# Altium PCB Hand Proto 1 PCB.PcbDoc
Units mil, origin at the board's own origin, x right, y up, seen from the top; angles counter-clockwise.
Board outline 4600 x 3300 mil, 2 copper layers (Top Layer, Bottom Layer), stack 60.8 mil thick; 115 components, 74 nets, 361 pads, 188 vias.
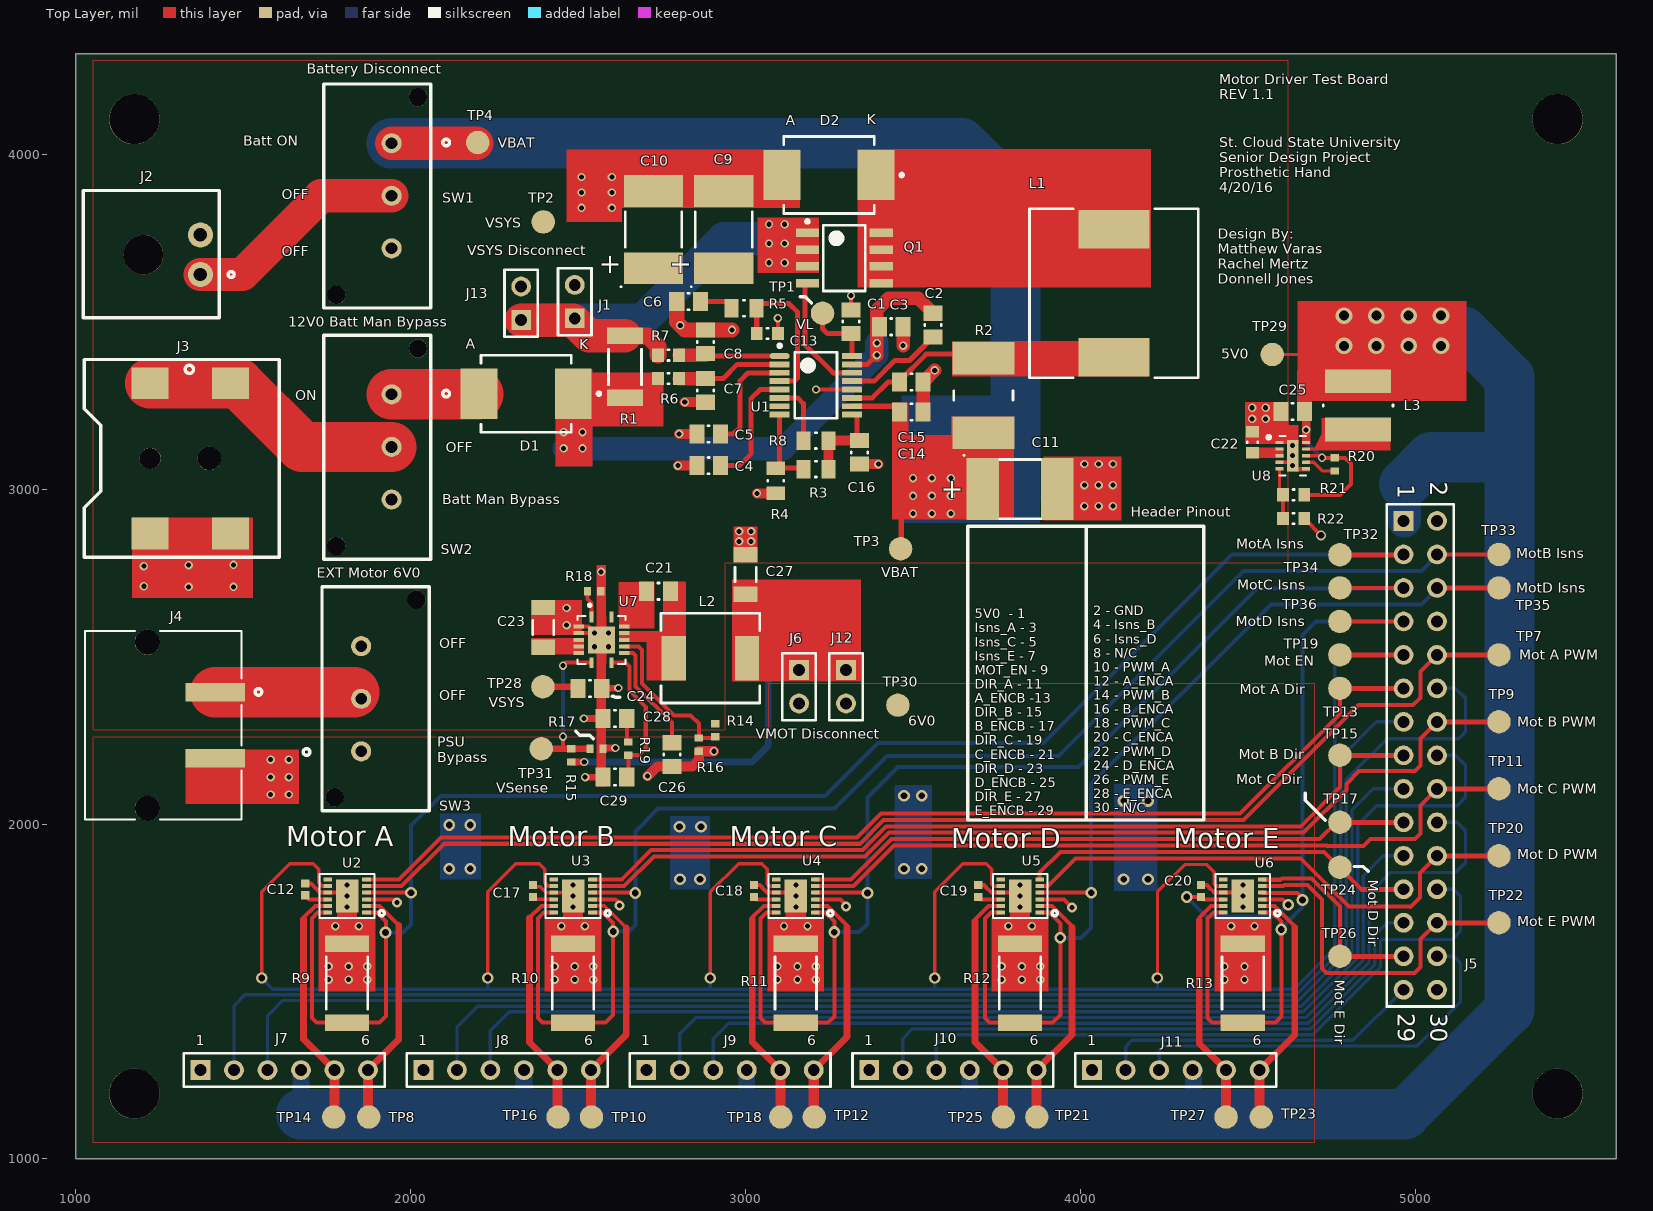
[diagram p0: Top Layer view]
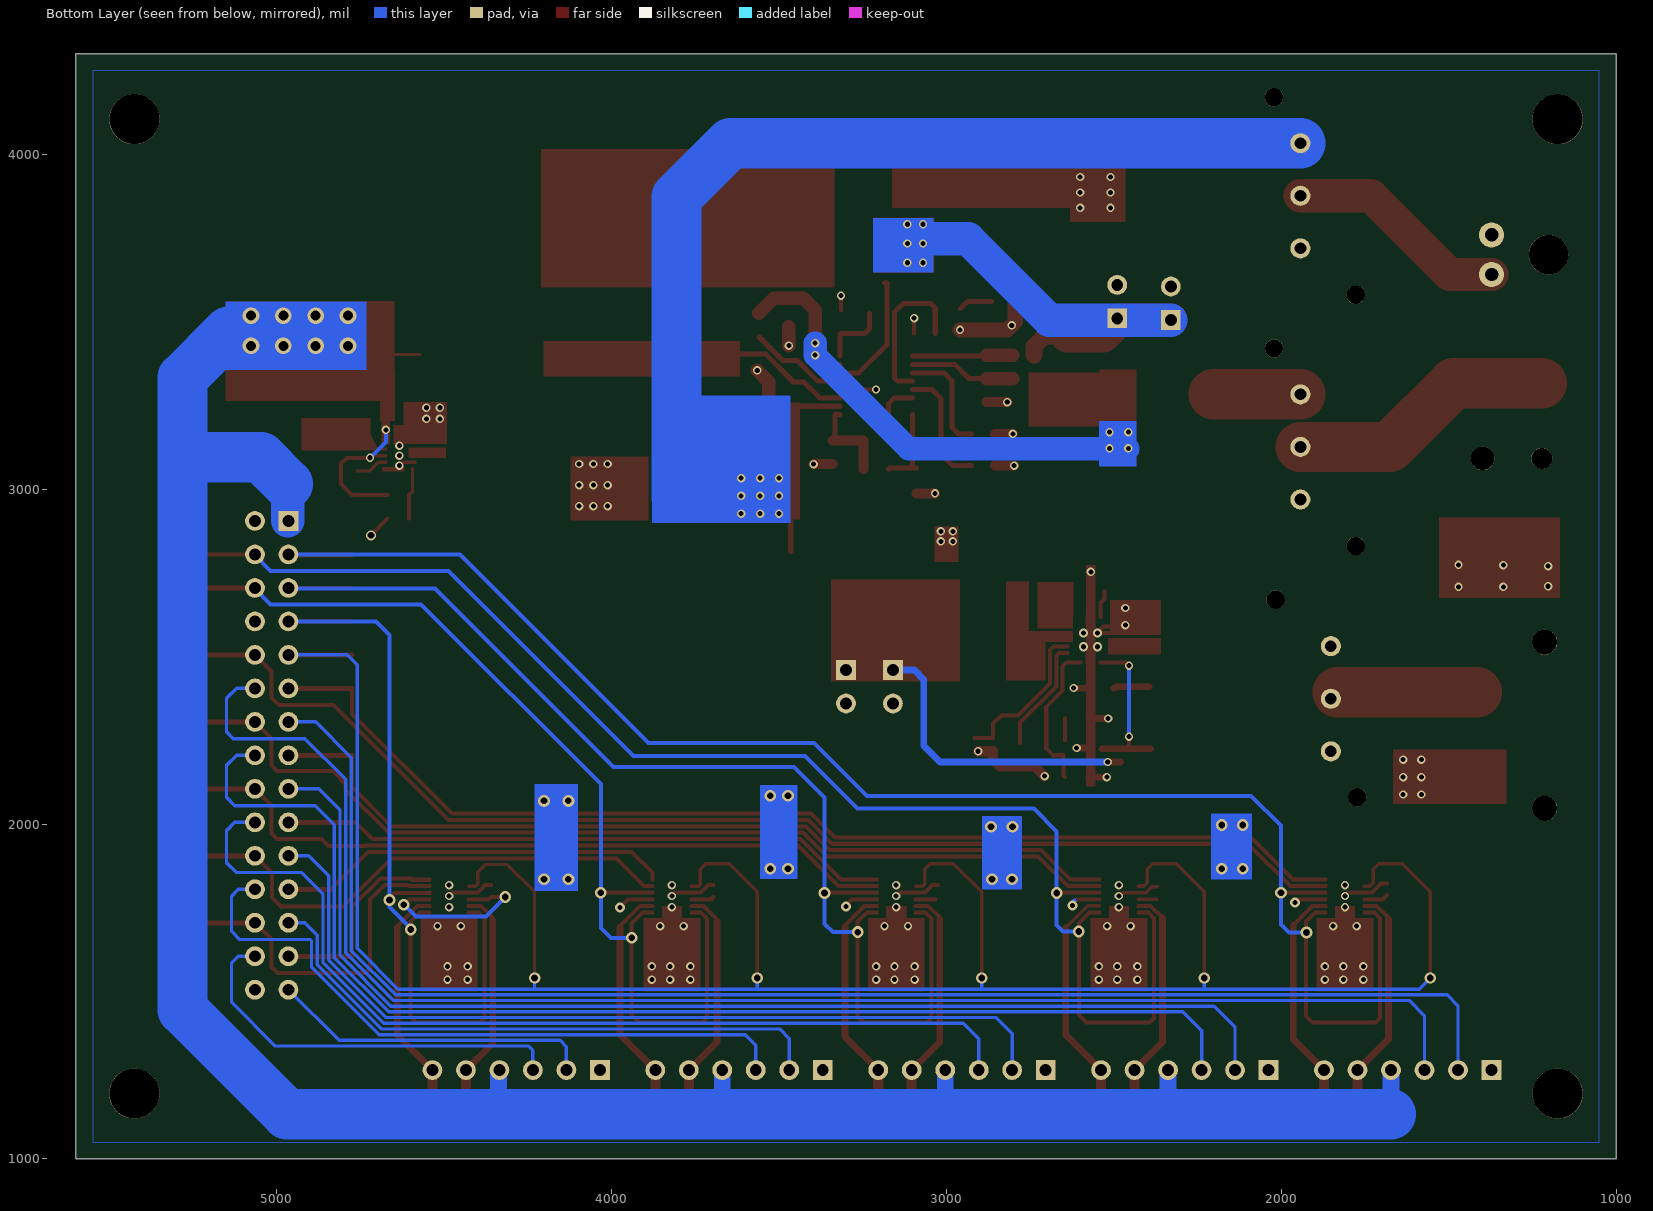
[diagram p1: Bottom Layer view, seen from below]

## Layer stack, top to bottom
Top Solder: solder mask 0.4, Solder Resist, Dk 3.5
Top Layer: signal copper 1.4
Dielectric 1: core 58, FR-4, Dk 4.2
Bottom Layer: signal copper 1.4
Bottom Solder: solder mask 0.4, Solder Resist, Dk 3.5

## Board outline
1000,1000 1000,4300 5600,4300 5600,1000

## Design rules (kind name [scope] priority, off if disabled: settings)
Clearance [All] p1: gap=7
HoleSize [All] p1: absolutevalues=TRUE maxlimit=500 minlimit=15 maxpercent=80.000 minpercent=20.000
MinimumAnnularRing [All] p1: minimumring=5
PolygonConnect [All] p1: connectstyle=Relief reliefconductorwidth=20 reliefentries=4 polygonreliefangle="90 Angle" airgapwidth=10
RoutingVias [All] p1: holewidth=20 width=30 viastyle="Through Hole" minholewidth=15 minwidth=25 maxholewidth=50 maxwidth=50
SolderMaskExpansion [All] p1: expansion=5
Width [All] p1: maxlimit=500 minlimit=7 preferedwidth=12
29 further rules are at their usual default settings.

## Classes and differential pairs
component class "Battery Manager": C1 C2 C3 C4 C5 C6 C7 C8 C9 C10 C11 C13 C14 C15 C16 D1 D2 J1 J13 L1 Q1 R1 R2 R3 R4 R5 R6 R7 R8 TP1 TP2 TP3 U1
component class Connectors: J2 J3 J4 J5 J7 J8 J9 J10 J11 P1 P2 P3 P4 P5 P? SW1 SW2 SW3 TP4
component class Motor_Drivers: C12 C17 C18 C19 C20 R9 R10 R11 R12 R13 TP7 TP8 TP9 TP10 TP11 TP12 TP13 TP14 TP15 TP16 TP17 TP18 TP19 TP20 TP21 TP22 TP23 TP24 TP25 TP26 TP27 TP32 TP33 TP34 TP35 TP36 U2 U3 U4 U5 U6
component class Power_Supply: C21 C22 C23 C24 C25 C26 C27 C28 C29 J6 J12 L2 L3 R14 R15 R16 R17 R18 R19 R20 R21 R22 TP28 TP29 TP30 TP31 U7 U8

## Components (designator, comment, footprint, x,y, rotation, side; value= is the part's Value field where it differs from the comment)
C1 "2.2uF" CAPC0805(2012)145_N 3315,3500 r90 top
C2 "0.22uF" CAPC0805(2012)145_N 3560,3490 r270 top
C3 "0.22uF" CAPC0805(2012)145_N 3435,3485 r0 top
C4 "0.047uF" CAPC0805(2012)75_N 2890,3070 r180 top
C5 "0.047uF" CAPC0805(2012)75_N 2890,3165 r180 top
C6 "0.1uF" CAPC0805(2012)145_N 2830,3560 r0 top
C7 "0.1uF" CAPC0805(2012)145_N 2880,3295 r90 top
C8 "0.1uF" CAPC0805(2012)145_N 2880,3440 r270 top
C9 "22uF" "CAP TANT D" 2935,3775 r90 top
C10 "22uF" "CAP TANT D" 2725,3775 r90 top
C11 "68uF" "CAP TANT E" 3820,3000 r0 top
C12 "Cap" "0402 Cap" 1685,1805 r270 top
C13 "1nF" CAPC0603(1608)100_N 3065,3465 r180 top
C14 "0.1uF" CAPC0805(2012)145_N 3495,3230 r0 top
C15 "0.1uF" CAPC0805(2012)145_N 3495,3320 r180 top
C16 "1uF" CAPC0805(2012)100_N 3340,3110 r90 top
C17 "Cap" "0402 Cap" 2365,1800 r270 top
C18 "Cap" "0402 Cap" 3025,1800 r270 top
C19 "Cap" "0402 Cap" 3695,1800 r270 top
C20 "Cap" "0402 Cap" 4360,1800 r270 top
C21 "0.1uF" CAPC0805(2012)145_N 2740,2695 r180 top
C22 "2.2uF" CAPC0603(1608)100_N 4514,3140 r270 top
C23 "22uF" CAPC1206(3216)190_N 2396,2587 r270 top
C24 "4.7uF" CAPC0805(2012)145_N 2535,2405 r180 top
C25 "22uF" CAPC0805(2012)145_N 4634,3232 r0 top
C26 "2.7nF" CAPC0805(2012)145_N 2780.39,2206.97 r90 top
C27 "22uF" CAPC1206(3216)190_N 3000,2745 r270 top
C28 "18nF" CAPC0805(2012)145_N 2610,2315 r0 top
C29 "39pF" CAPC0805(2012)100_N 2610,2140 r0 top
D1 "MBRS340T3G" ONSC-SMC-2-403-03_V 2345,3285 r180 top
D2 "MBRS340T3G" ONSC-SMC-2-403-03_V 3249,3938 r180 top
J1 "VSYS Jumper" HDR1X2 2490,3510 r90 top
J2 "0436500200" 43650-0200 1202,3700 r270 top
J3 "PJ-002AH-SMT" PJ-002AH-SMT 1222,3092 r0 top
J4 "691709710302" "2-PIN SCREW TERMINAL" 1315,2295 r270 top
J5 "Header 15X2" HDR2X15 5015,2205 r270 top
J6 "6V0 Jumper" HDR1X2 3160,2460 r270 top
J7 "Header 6" HDR1X6 1372.5,1265 r0 top
J8 "Header 6" HDR1X6 2038.12,1265 r0 top
J9 "Header 6" HDR1X6 2703.75,1265 r0 top
J10 "Header 6" HDR1X6 3369.38,1265 r0 top
J11 "Header 6" HDR1X6 4035,1265 r0 top
J12 "6V0 Jumper" HDR1X2 3300,2460 r270 top
J13 "VSYS Jumper" HDR1X2 2330,3505 r90 top
L1 "10uH" "SRR1260 IND" 4100,3585 r270 top
L2 "3.3uH" INDM7265X40N 2895,2495 r0 top
L3 "10uH" SDR0503 4829,3250 r90 top
Q1 "FDS4435BZ" SOIC-8 3295,3690 r0 top
R1 "0.033" RESC2010(5025)_N 2640,3365 r270 top
R2 "0.068" WSL2816 3710,3280 r90 top
R3 "100K" RESC0805(2012)_N 3210,3060 r0 top
R4 "100K" RESC0805(2012)_N 3090,3025 r90 top
R5 "10K" RESC0805(2012)_N 2995,3540 r180 top
R6 "4.7" RESC0603(1608)_N 2770,3330 r0 top
R7 "4.7" RESC0603(1608)_N 2770,3400 r0 top
R8 "10K" RESC0805(2012)_N 3210,3145 r0 top
R9 "0R1 1% 3W" "2512 Resistor" 1810,1525 r270 top
R10 "0R1 1% 3W" "2512 Resistor" 2485,1525 r270 top
R11 "0R1 1% 3W" "2512 Resistor" 3150,1525 r270 top
R12 "0R1 1% 3W" "2512 Resistor" 3820,1525 r270 top
R13 "0R1 1% 3W" "2512 Resistor" 4485,1525 r270 top
R14 "105K 1%" RESC0402(1005)_N 2910,2280 r270 top
R15 "90.9K" RESC0402(1005)_N 2480,2205 r270 top
R16 "37.4K 1%" RESC0402(1005)_N 2860.39,2236.97 r90 top
R17 "10K" RESC0402(1005)_N 2555,2225 r180 top
R18 "53.6K 1%" RESC0402(1005)_N 2548,2695 r180 top
R19 "3.57K 1%" RESC0402(1005)_N 2650,2225 r270 top
R20 "100K" RESC0402(1005)_N 4760,3074 r90 top
R21 "787K" RESC0603(1608)_N 4637,2983 r180 top
R22 "150K" RESC0603(1608)_N 4637,2912 r180 top
SW1 "1825255-5" "ON/OFF/ON SLIDER SWITCH" 1900,3875 r90 top
SW2 "1825255-5" "ON/OFF/ON SLIDER SWITCH" 1900,3125 r90 top
SW3 "1825255-5" "ON/OFF/ON SLIDER SWITCH" 1895,2375 r270 top
TP1 "Test Point" TESTPOINT_70 3230,3525 r0 top
TP2 "Test Point" TESTPOINT_70 2396,3798 r90 top
TP3 "Test Point" TESTPOINT_70 3463,2822 r90 top
TP4 "Test Point" TESTPOINT_70 2200,4035 r90 top
TP7 "Test Point" TESTPOINT_70 5250,2505 r90 top
TP8 "Test Point" TESTPOINT_70 1875,1125 r90 top
TP9 "Test Point" TESTPOINT_70 5250,2305 r90 top
TP10 "Test Point" TESTPOINT_70 2540,1125 r90 top
TP11 "Test Point" TESTPOINT_70 5250,2105 r90 top
TP12 "Test Point" TESTPOINT_70 3205,1125 r90 top
TP13 "Test Point" TESTPOINT_70 4775,2405 r90 top
TP14 "Test Point" TESTPOINT_70 1770,1125 r90 top
TP15 "Test Point" TESTPOINT_70 4775,2205 r90 top
TP16 "Test Point" TESTPOINT_70 2440,1125 r90 top
TP17 "Test Point" TESTPOINT_70 4775,2005 r90 top
TP18 "Test Point" TESTPOINT_70 3105,1125 r90 top
TP19 "Test Point" TESTPOINT_70 4775,2505 r90 top
TP20 "Test Point" TESTPOINT_70 5250,1905 r90 top
TP21 "Test Point" TESTPOINT_70 3870,1125 r90 top
TP22 "Test Point" TESTPOINT_70 5250,1705 r90 top
TP23 "Test Point" TESTPOINT_70 4540,1125 r90 top
TP24 "Test Point" TESTPOINT_70 4775,1871 r90 top
TP25 "Test Point" TESTPOINT_70 3770,1125 r90 top
TP26 "Test Point" TESTPOINT_70 4775,1605 r90 top
TP27 "Test Point" TESTPOINT_70 4435,1125 r90 top
TP28 "Test Point" TESTPOINT_70 2395,2410 r90 top
TP29 "Test Point" TESTPOINT_70 4573,3402 r90 top
TP30 "Test Point" TESTPOINT_70 3455,2355 r90 top
TP31 "Test Point" TESTPOINT_70 2390,2225 r90 top
TP32 "Test Point" TESTPOINT_70 4775,2804 r90 top
TP33 "Test Point" TESTPOINT_70 5250,2805 r90 top
TP34 "Test Point" TESTPOINT_70 4775,2705 r90 top
TP35 "Test Point" TESTPOINT_70 5250,2705 r90 top
TP36 "Test Point" TESTPOINT_70 4775,2605 r90 top
U1 "MAX1873" QSOP-16 3210,3310 r0 top
U2 "MAX14870" "12L TDFN 3X3" 1810,1785 r180 top
U3 "MAX14870" "12L TDFN 3X3" 2485,1785 r180 top
U4 "MAX14870" "12L TDFN 3X3" 3150,1785 r180 top
U5 "MAX14870" "12L TDFN 3X3" 3820,1785 r180 top
U6 "MAX14870" "12L TDFN 3X3" 4485,1785 r180 top
U7 "TPS54622" S-PVQFN-N14 2570,2550 r0 top
U8 "TPS62175" R-PWSON-N10 4634,3100 r0 top

## Footprints (in the part's own frame and the unit in brackets; to place one, negate y for a bottom-side part, rotate by r counter-clockwise, add the part's x,y. Pads: shape width x height; smd on the part's side, far side on the other; paste and mask are expansions set on the pad)
"2-PIN SCREW TERMINAL" [mm] "Wurth 691709710302"
  rect 1.4x4.5 smd: 1(-2.5,2.575) 2(2.5,2.575)
  round 1.9 hole 1.9 unplated mask+0.178: ""(-6.3,-2.575) ""(6.3,-2.575)
  silkscreen extent -7.15,-7.3 7.15,6.1, body extent -7,-7.15 7,4.4, height 10.88
"12L TDFN 3X3" [mm] "3x3mm Dual Flat No Lead with EP"
  rect 0.65x0.3 smd mask+0.051: 1(-1.475,1.25) 2(-1.475,0.75) 3(-1.475,0.25) 4(-1.475,-0.25) 5(-1.475,-0.75) 6(-1.475,-1.25) 7(1.475,-1.25) 8(1.475,-0.75) 9(1.475,-0.25) 10(1.475,0.25) 11(1.475,0.75) 12(1.475,1.25)
  rect 1.7x2.5 smd mask+0.051: 13(0,0)
  silkscreen extent -2.83,-1.68 2.07,1.68, body extent -1.5,-1.5 1.5,1.5, height 0.75
"0402 Cap" [mm] "Chip Capacitor, Body 1.0x0.5mm, Height 0.6mm, IPC Medium Density"
  rect 0.62x0.62 smd: 1(-0.45,0) 2(0.45,0)
  body extent -0.55,-0.3 0.55,0.3, height 0.6
"2512 Resistor" [mm] "Chip Resistor, Body 6.4x3.2mm, IPC Medium Density"
  rect 1.25x3.35 smd: 1(-3,0) 2(3,0)
  silkscreen extent -2,-1.57 2,1.58, body extent -3.25,-1.7 3.25,1.7, height 0.75
43650-0200 [mm] "Molex 43650-0200 for Battery Connector"
  round 1.905 hole 1.02: 1(1.5,4.325) 2(-1.5,4.325)
  round 3 hole 3 unplated mask+0.178: ""(0,0)
  silkscreen extent -4.87,-4.57 4.77,6.88, body extent -4.87,-4.57 4.78,5.33, height 5.55
"CAP TANT D" [mm] "Chip Capacitor, 2-Leads, Body 7.30x4.30mm, IPC Medium Density"
  rect 2.4x4.5 smd: 1(-2.925,0) 2(2.925,0)
  silkscreen extent -4.39,-2.15 1.35,2.51, body extent -3.7,-2.22 3.7,2.23, height 2.99
"CAP TANT E" [mm]
  rect 2.45x4.7 smd: 1(-2.825,0) 2(2.825,0)
  silkscreen extent -4.31,-2.25 1.55,2.61, body extent -3.7,-2.22 3.7,2.23, height 4.19
CAPC0603(1608)100_N [mm] "Chip Capacitor, Body 1.6x0.8mm, Height 1.0mm, IPC Medium Density"
  rect 0.9x1 smd: 1(-0.8,0) 2(0.8,0)
  silkscreen extent -0.05,-0.4 0.05,0.4, body extent -0.87,-0.48 0.88,0.47, height 1
CAPC0805(2012)75_N [mm] "Chip Capacitor, Body 2.0x1.2mm, Height 0.75mm, IPC Medium Density"
  rect 1.15x1.45 smd: 1(-0.9,0) 2(0.9,0)
  silkscreen extent -0.05,-0.62 0.05,0.63, body extent -1.1,-0.72 1.1,0.73, height 0.75
CAPC0805(2012)100_N [mm] "Chip Capacitor, Body 2.0x1.2mm, Height 1.0mm, IPC Medium Density"
  rect 1.15x1.45 smd: 1(-0.9,0) 2(0.9,0)
  silkscreen extent -0.05,-0.62 0.05,0.63, body extent -1.1,-0.72 1.1,0.73, height 1
CAPC0805(2012)145_N [mm] "Chip Capacitor, Body 2.0x1.2mm, Height 1.45mm, IPC Medium Density"
  rect 1.15x1.45 smd: 1(-0.9,0) 2(0.9,0)
  silkscreen extent -0.05,-0.62 0.05,0.63, body extent -1.1,-0.72 1.1,0.73, height 1.45
CAPC1206(3216)190_N [mm] "Chip Capacitor, Body 3.2x1.6mm, Height 1.9mm, IPC Medium Density"
  rect 1.15x1.8 smd: 1(-1.5,0) 2(1.5,0)
  silkscreen extent -0.55,-0.8 0.55,0.8, body extent -1.7,-0.9 1.7,0.9, height 1.9
HDR1X2 [mm] "Connector; Header; 2 Position"
  rect 1.5x1.5 hole 0.9: 1(0,0)
  round 1.5 hole 0.9: 2(2.54,0)
  silkscreen extent -1.27,-1.27 3.81,1.27, body extent -1.27,-1.27 3.81,1.27, height 13.5
HDR1X6 [mm] "Connector; Header; 6 Position"
  rect 1.5x1.5 hole 0.9: 1(0,0)
  round 1.5 hole 0.9: 2(2.54,0) 3(5.08,0) 4(7.62,0) 5(10.16,0) 6(12.7,0)
  silkscreen extent -1.27,-1.27 13.97,1.27, body extent -1.12,-1.17 13.82,1.17, height 10.03
HDR2X15 [mm] "Connector; Header; 15x2 Position"
  rect 1.5x1.5 hole 0.9: 1(-17.78,-1.27)
  round 1.5 hole 0.9: 2(-17.78,1.27) 3(-15.24,-1.27) 4(-15.24,1.27) 5(-12.7,-1.27) 6(-12.7,1.27) 7(-10.16,-1.27) 8(-10.16,1.27) 9(-7.62,-1.27) 10(-7.62,1.27) 11(-5.08,-1.27) 12(-5.08,1.27) 13(-2.54,-1.27) 14(-2.54,1.27) 15(0,-1.27) 16(0,1.27) 17(2.54,-1.27) 18(2.54,1.27) 19(5.08,-1.27) 20(5.08,1.27) 21(7.62,-1.27) 22(7.62,1.27) 23(10.16,-1.27) 24(10.16,1.27) 25(12.7,-1.27) 26(12.7,1.27) 27(15.24,-1.27) 28(15.24,1.27) 29(17.78,-1.27) 30(17.78,1.27)
  silkscreen extent -19.05,-2.54 19.05,2.54, body extent -19.3,-2.51 19.3,2.44, height 8.51
INDM7265X40N [mm] "Molded Inductor, 2-Leads, Body 7.20x6.50mm, IPC Medium Density"
  rect 1.85x3.4 smd: 1(-2.775,0) 2(2.775,0)
  silkscreen extent -3.75,-3.4 3.75,3.4, body extent -3.59,-3.23 3.59,3.28, height 3.98
"ON/OFF/ON SLIDER SWITCH" [mil] "TE Connectivity 1825255-5"
  round 60 hole 35: 1(158,-43) 2(1,-43) 3(-156,-43)
  round 55 hole 55 mask+7: ""(-295,122) ""(295,-122)
  silkscreen extent -334,-216 335,160, body extent -315,-131 315,133, height 473
ONSC-SMC-2-403-03_V [mil] "Molded, 2-Leads, Body 6.86x5.84mm"
  rect 110x150 smd: 1(-140.49,0) 2(140.49,0)
  silkscreen extent -222,-115 135,115, body extent -135,-115 135,115, height 99
PJ-002AH-SMT [mm] "Conn power jack SMT 2.1mm x 5.5mm"
  rect 2.8x2.4 smd: 1(0,5.7) 1(6.1,5.7) 2(0,-5.7) 3(6.1,-5.7)
  round 1.6 hole 1.6 unplated mask+0.178: ""(0,0)
  round 1.8 hole 1.8 unplated mask+0.178: ""(4.496,0)
  silkscreen extent -5,-7.5 9.8,7.5, body extent -5,-6.3 9.8,6.3, height 11.18
QSOP-16 [mm] "For MAX1873"
  oval 1.5x0.45 smd: 1(-2.75,2.222)
  rect 1.5x0.45 smd: 2(-2.75,1.587) 3(-2.75,0.953) 4(-2.75,0.318) 5(-2.75,-0.318) 6(-2.75,-0.953) 7(-2.75,-1.587) 8(-2.75,-2.222) 9(2.75,-2.222) 10(2.75,-1.587) 11(2.75,-0.953) 12(2.75,-0.318) 13(2.75,0.318) 14(2.75,0.953) 15(2.75,1.587) 16(2.75,2.222)
  silkscreen extent -2.87,-2.5 1.6,3.12, body extent -3.01,-2.5 3.01,2.5, height 1.75
R-PWSON-N10 [mil]
  rect 24x10 smd paste-5: 1(-39.5,39.37) 2(-39.5,19.68) 3(-39.5,0) 4(-39.5,-19.68) 5(-39.5,-39.37) 6(39.5,-39.37) 7(39.5,-19.68) 8(39.5,0) 9(39.5,19.68) 10(39.5,39.37)
  rect 33.07x94.49 smd paste-46.5: 11(0,0)
  silkscreen extent -77,-59 40,60, body extent -60,-59 59,59, height 27
RESC0402(1005)_N [mm] "Chip Resistor, Body 1.0x0.5mm, IPC Medium Density"
  rect 0.55x0.65 smd: 1(-0.5,0) 2(0.5,0)
  body extent -0.52,-0.27 0.53,0.28, height 0.4
RESC0603(1608)_N [mm] "Chip Resistor, Body 1.6x0.8mm, IPC Medium Density"
  rect 0.9x1 smd: 1(-0.8,0) 2(0.8,0)
  silkscreen extent -0.05,-0.4 0.05,0.4, body extent -0.85,-0.47 0.85,0.47, height 0.6
RESC0805(2012)_N [mm] "Chip Resistor, Body 2.0x1.3mm, IPC Medium Density"
  rect 1.05x1.4 smd: 1(-0.95,0) 2(0.95,0)
  silkscreen extent -0.05,-0.6 0.05,0.6, body extent -1.1,-0.67 1.1,0.68, height 0.7
RESC2010(5025)_N [mm] "Chip Resistor, Body 5.0x2.5mm, IPC Medium Density"
  rect 1.25x2.7 smd: 1(-2.35,0) 2(2.35,0)
  silkscreen extent -1.35,-1.25 1.35,1.25, body extent -2.6,-1.35 2.6,1.35, height 0.71
S-PVQFN-N14 [mil]
  rect 12x31.68 smd: 1(-29.53,68.01) 7(-29.53,-68.01) 8(29.53,-68.01) 14(29.53,68.01)
  rect 31.68x12 smd: 2(-68.01,39.38) 3(-68.01,19.69) 4(-68.01,0) 5(-68.01,-19.69) 6(-68.01,-39.38) 9(68.01,-39.38) 10(68.01,-19.69) 11(68.01,0) 12(68.01,19.69) 13(68.01,39.38)
  rect 80.71x80.71 smd paste-39.85: 15(0,0)
  Top Layer region: -14.76,40.35 14.76,40.35 14.76,71.85 6.89,71.85 6.89,56.1 -6.89,56.1 -6.89,71.85 -14.76,71.85
  Top Layer region: -14.76,-40.35 14.76,-40.35 14.76,-71.85 6.89,-71.85 6.89,-56.1 -6.89,-56.1 -6.89,-71.85 -14.76,-71.85
  silkscreen extent -72,-72 72,106, body extent -69,-69 69,69, height 39
SDR0503 [mil]
  rect 71x197 smd: 1(-72,0) 2(72,0)
  silkscreen extent -2,-104 2,104, body extent -98,-98 98,98, height 118
SOIC-8 [mm] "SOIC, 8-Leads, Body 4.90x3.90mm, Pitch 1.27mm, IPC Medium Density"
  rect 1.75x0.65 smd: 1(-2.8,1.905) 2(-2.8,0.635) 3(-2.8,-0.635) 4(-2.8,-1.905) 5(2.8,-1.905) 6(2.8,-0.635) 7(2.8,0.635) 8(2.8,1.905)
  silkscreen extent -2.92,-2.5 1.6,2.9, body extent -3,-2.5 3,2.5, height 1.75
"SRR1260 IND" [mm] "Precision Wire Wound Inductor, 2-Leads, Body 12.50x12.50mm, IPC Medium Density"
  rect 2.9x5.4 smd: 1(-4.85,0) 2(4.85,0)
  silkscreen extent -6.4,-6.4 6.4,6.4, body extent -6.25,-6.25 6.25,6.25, height 6.25
TESTPOINT_70 [mil] "10 mil testpoint"
  round 70 smd: 1(0,0)
WSL2816 [mm] "Chip Resistor"
  rect 2.45x4.7 smd: 1(-2.825,0) 2(2.825,0)
  silkscreen extent -0.35,-2.25 0.35,2.25, body extent -3.65,-2.2 3.65,2.2, height 0.66

## Part data
C1: library part CMP-1036-04844-1, "CAP CER 2.2UF 50V X5R 0805"
C2 C3: library part CMP-1036-04552-1, "CAP CER 0.22UF 35V X5R 0805"
C4 C5: library part CMP-1036-04259-1, "CAP CER 0.047UF 50V X7R 0805"
C6 C7 C8 C14 C15: library part CMP-1036-04419-1, "CAP CER 0.1UF 50V X7R 0805"
C9 C10: library part "Cap Pol2", "CAP TANT 22UF 35V 10% 2917"
C11: library part "Cap Pol2", "CAP TANT 68UF 25V 20% 2917"
C12 C17 C18 C19 C20: library part "Cap 0402", "1µF ±10% 16V X5R Ceramic Capacitor 0402"
C13: library part CMP-1035-01889-1, "CAP CER 1000PF 50V X7R 0603"
C16: library part CMP-1036-04737-1, "CAP CER 1UF 25V X7R 0805"
C21: library part CMP-1036-04410-1, "CAP CER 0.1UF 25V X7R 0805"
C22: library part CMP-1035-02763-1, "CAP CER 2.2UF 16V X5R 0603"
C23: library part CMP-1037-04993-1, "CAP CER 22UF 16V X5R 1206"
C24: library part CMP-1036-04895-1, "CAP CER 4.7UF 25V X5R 0805"
C25: library part CMP-1036-04939-1, "CAP CER 22UF 6.3V X5R 0805"
C26: library part CMP-1036-03344-1, "CAP CER 2700PF 50V X7R 0805"
C27: library part CMP-1037-04989-1, "CAP CER 22UF 10V X5R 1206"
C28: library part CMP-1036-04012-1, "CAP CER 0.018UF 50V X7R 0805"
C29: library part CMP-1036-01521-1, "CAP CER 39PF 50V NPO 0805"
D1 D2: library part CMP-1055-00380-1, "DIODE SCHOTTKY 40V 4A SMC"
J1 J13: library part "Header 2", "CONN HEADER .100 SINGL STR 2POS"
J2: library part "Battery Connector", "CONN HEADER 2POS 3MM RT ANG TIN"
J3: "CONN POWER JACK 2.1X5.5MM HI CUR"
J4: library part "Screw Terminal 2-pin", "CONN TERM BLOCK 2POS 5MM BLACK"
J5: "30 Position Receptacle Connector 0.100\" (2.54mm) Through Hole Tin"
J6 J12: library part "Header 2", "PEC02SAAN"
J7 J8 J9 J10 J11: "CONN HEADER VERT 6POS .100 TIN"
L1: library part SRR1260A-100MCT-ND, "FIXED IND 10UH 5.5A 20 MOHM SMD"
L2: library part Inductor, "FIXED IND 3.3UH 6.5A 23 MOHM SMD"
L3: library part Inductor, "FIXED IND 10UH 1.3A 130 MOHM SMD"
Q1: "MOSFET P-CH 30V 8.8A 8-SOIC"
R1: library part CMP-1017-00002-1, "RES SMD 0.033 OHM 1% 1W 2010"
R2: library part CMP-1017-00002-1, "RES SMD 0.068 OHM 1% 2W 2816"
R3 R4: library part CMP-1013-00736-1, "RES SMD 100K OHM 1% 1/8W 0805"
R5 R8: library part CMP-1013-00623-1, "RES SMD 10K OHM 1% 1/8W 0805"
R6 R7: library part CMP-1012-00247-1, "RES SMD 4.7 OHM 1% 1/10W 0603"
R9 R10 R11 R12 R13: library part "Resistor 2512", "RES SMD 0.1 OHM 1% 3W 2512"
R14: library part CMP-1011-00122-1, "RES SMD 105K OHM 1% 1/16W 0402"
R15: library part CMP-1011-00731-1, "RES SMD 90.9K OHM 1% 1/16W 0402"
R16: library part CMP-1011-00111-1, "RES SMD 37.4K OHM 1% 1/16W 0402"
R17: library part CMP-1011-00623-1, "RES SMD 10K OHM 1% 1/16W 0402"
R18: library part CMP-1011-00111-1, "RES SMD 53.6K OHM 1% 1/16W 0402"
R19: library part CMP-1011-00571-1, "RES SMD 3.57K OHM 1% 1/16W 0402"
R20: library part CMP-1011-00122-1, "RES SMD 100K OHM 1% 1/16W 0402"
R21: library part CMP-1012-00247-1, "RES SMD 787K OHM 1% 1/10W 0603"
R22: library part CMP-1012-00247-1, "RES SMD 150K OHM 1% 1/10W 0603"